# Allegro board neko-m5.brd
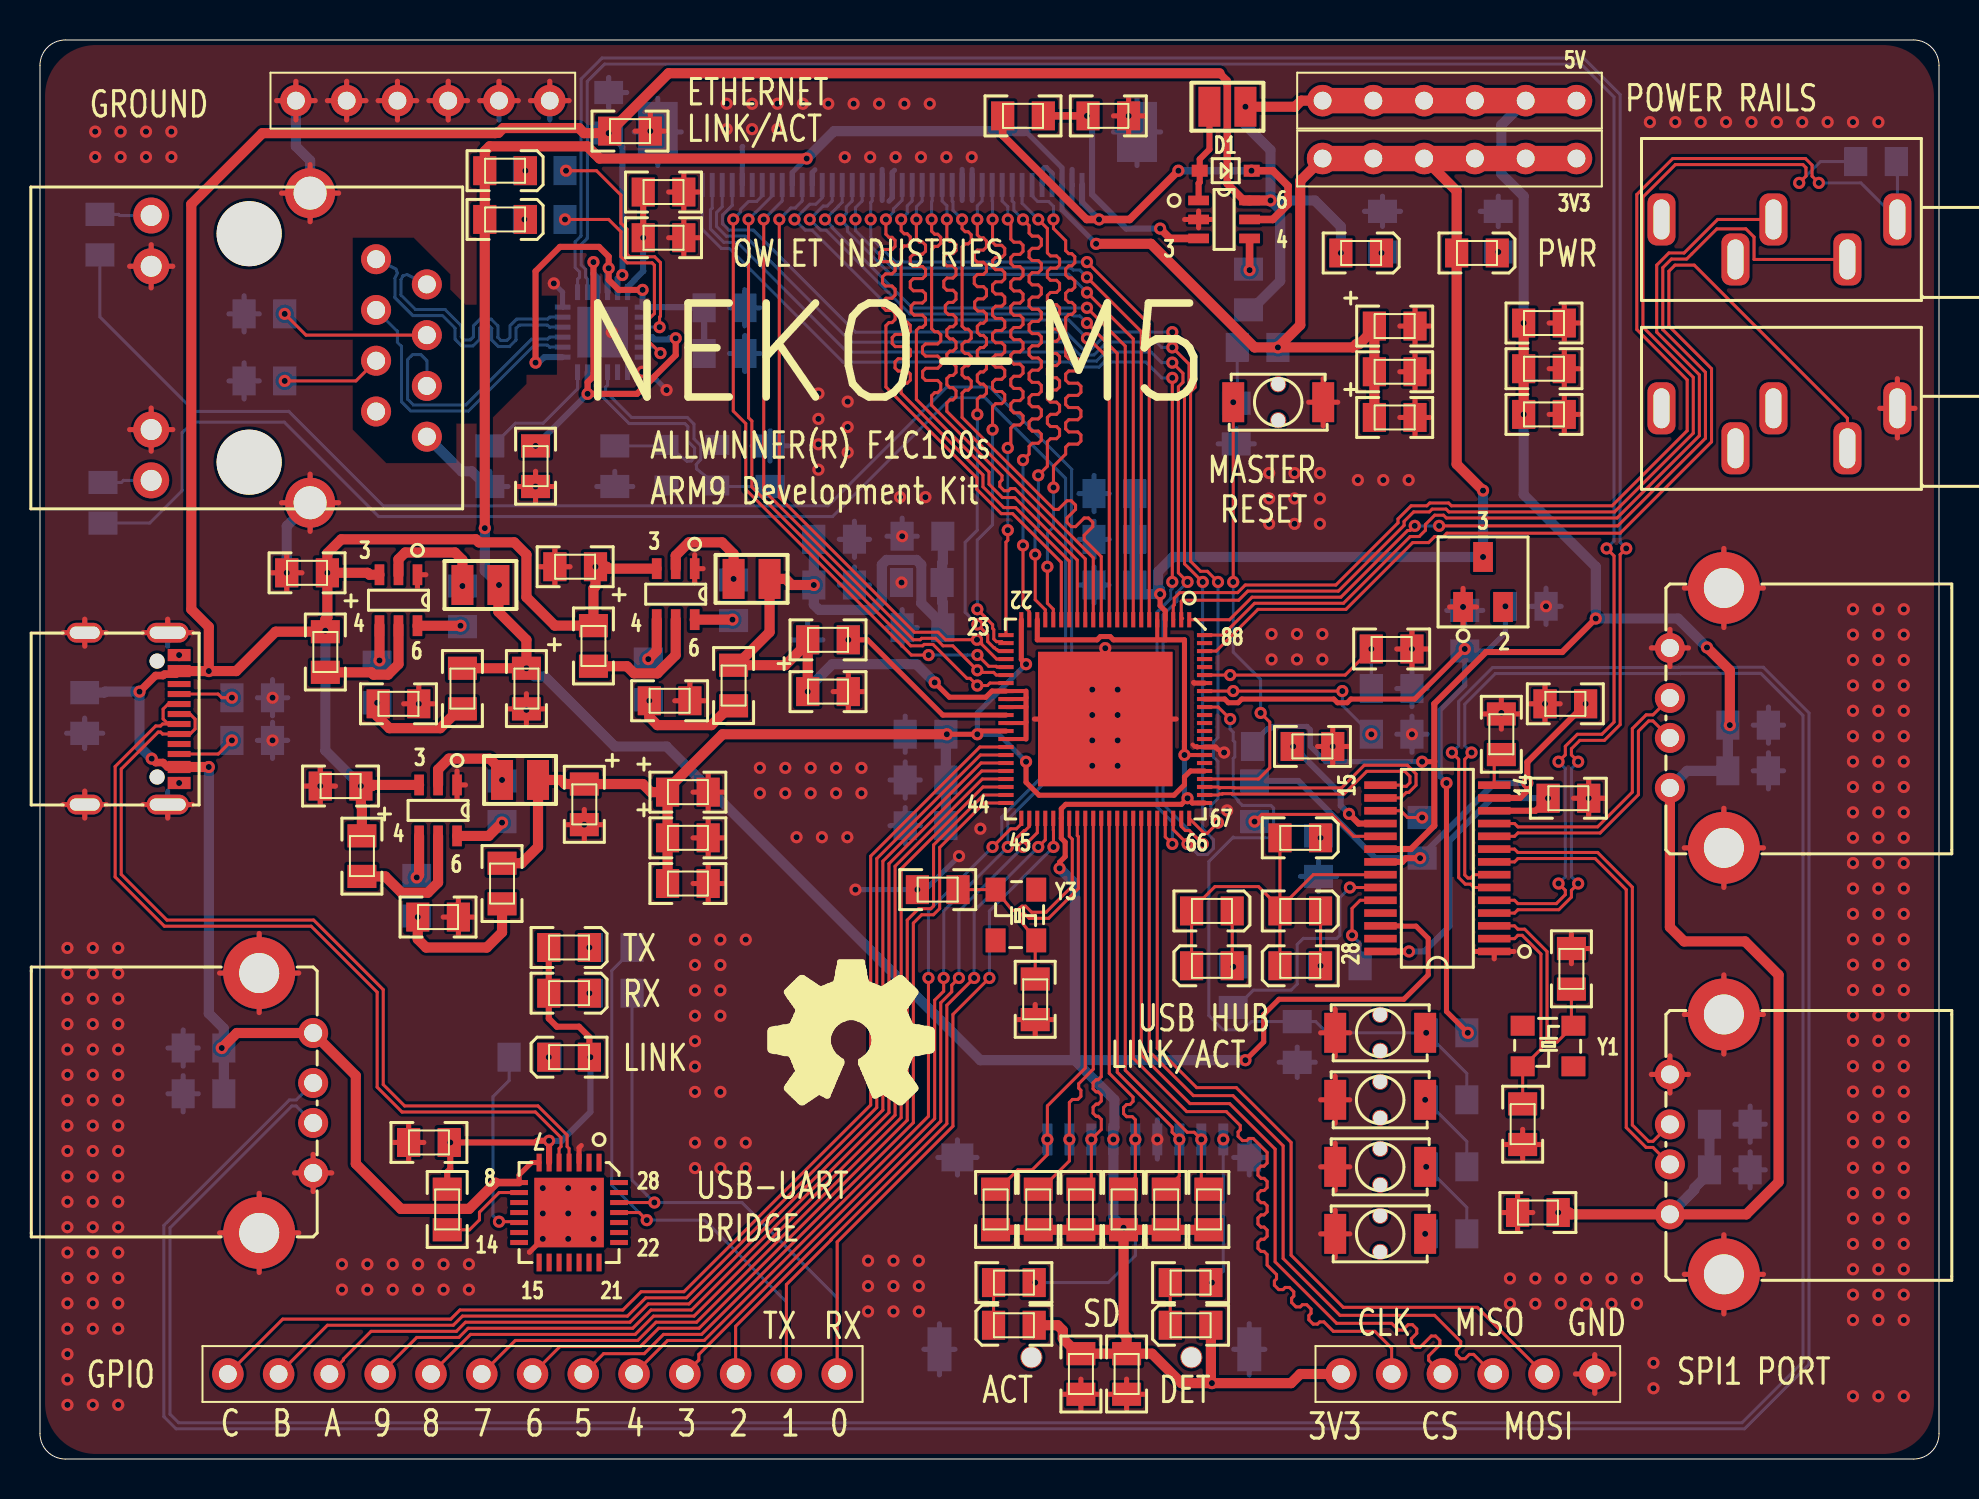
[diagram p0: board, top side]
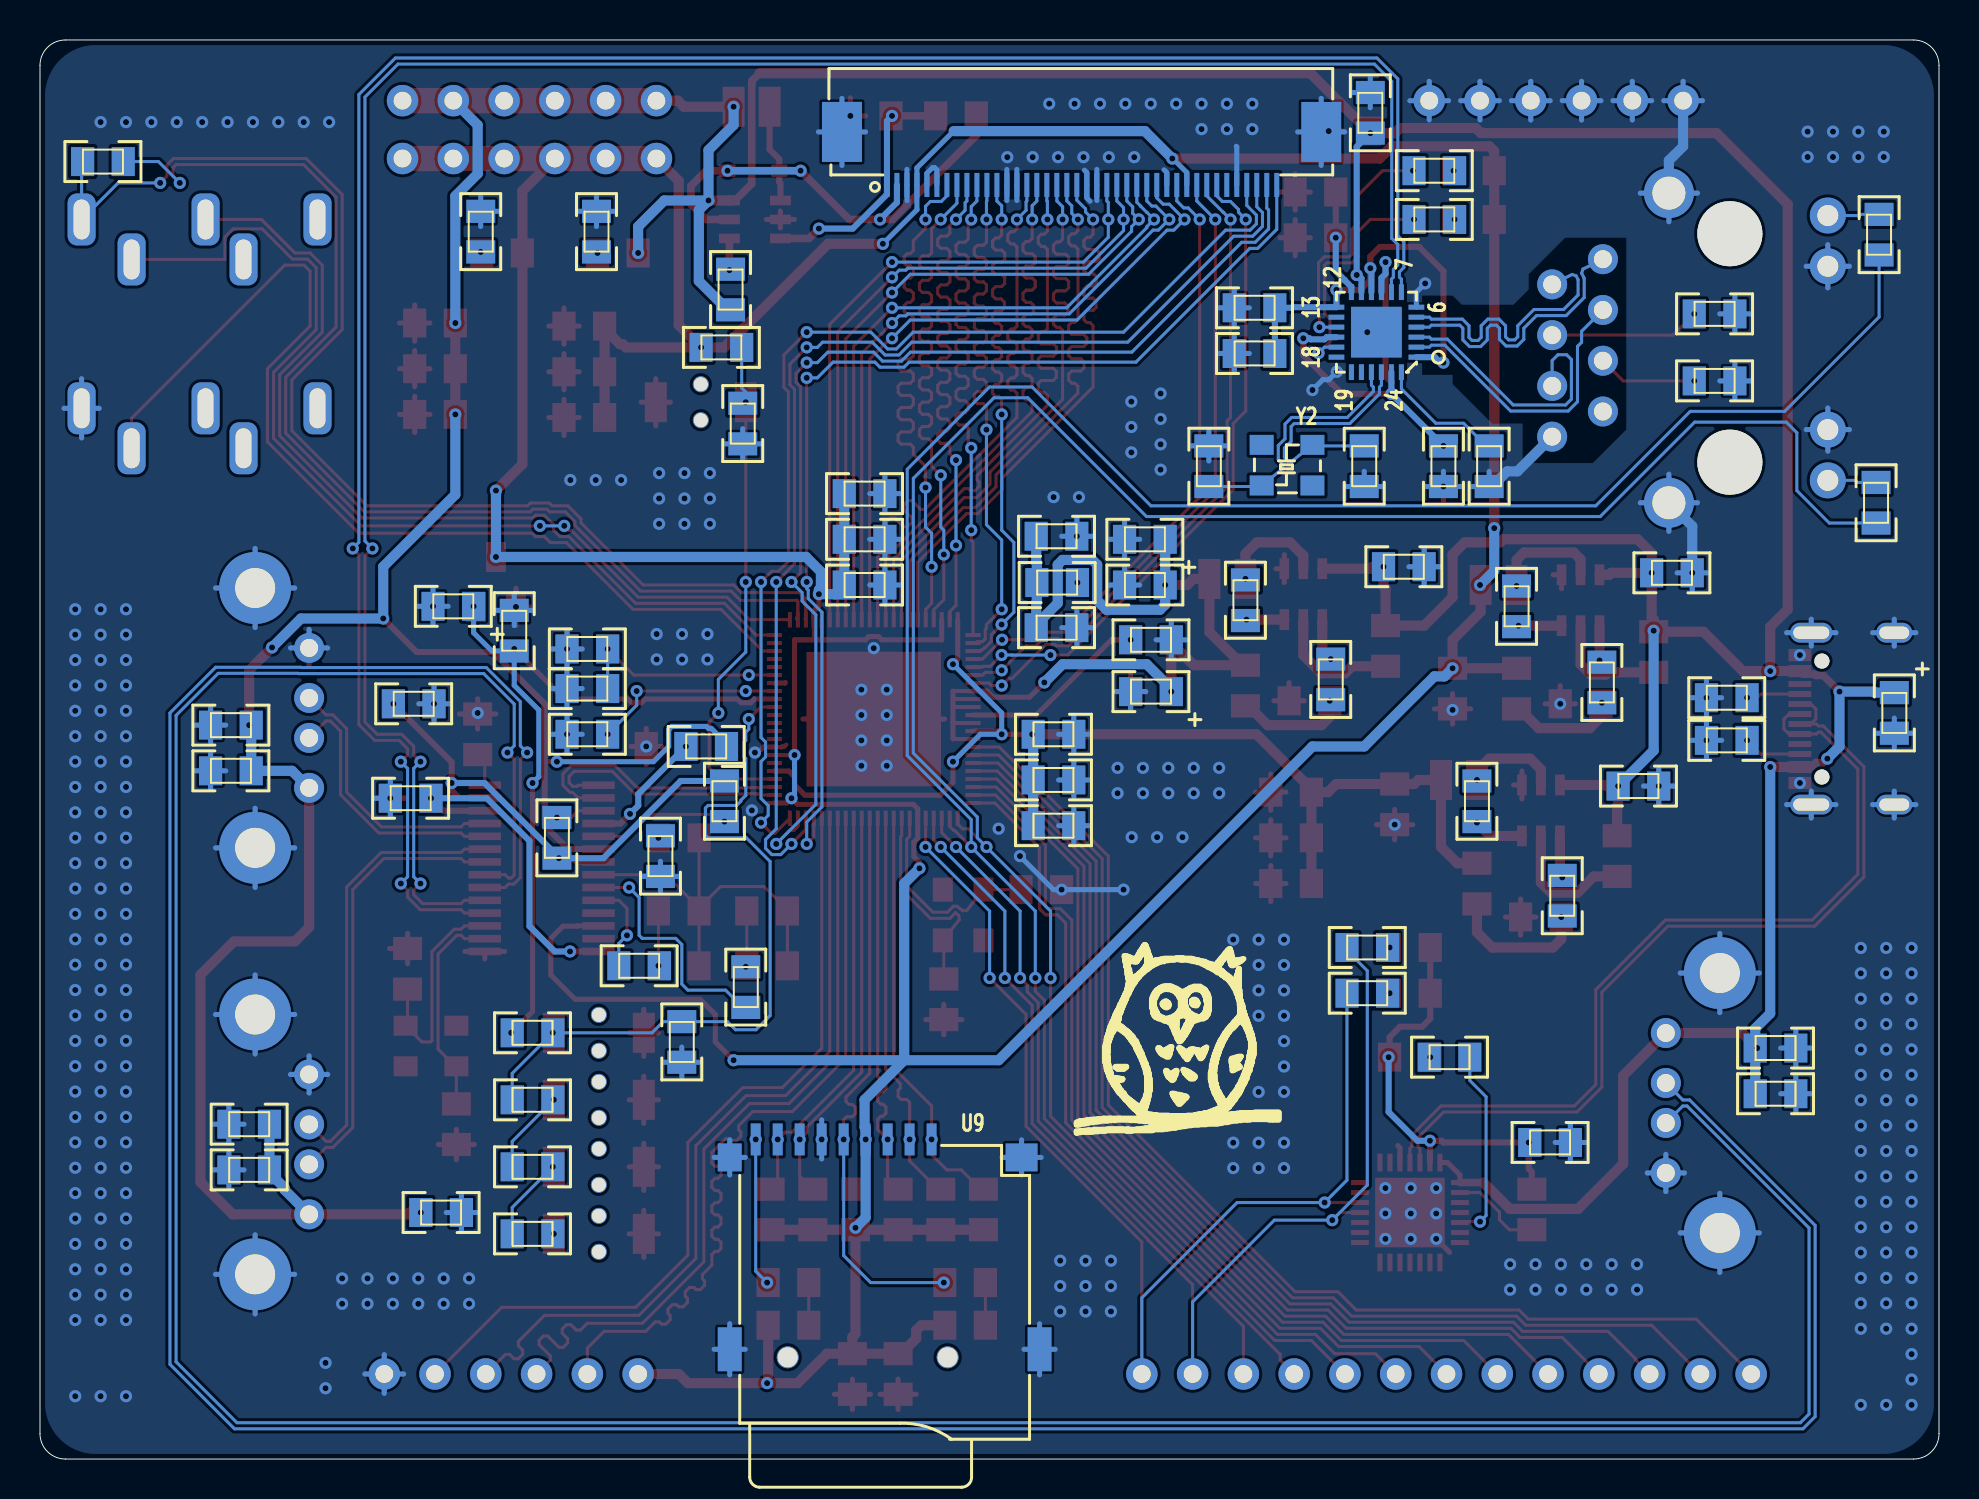
[diagram p1: board, bottom side, seen from below]

Outline 95 x 70.99 mm; copper layers: TOP, BOTTOM. Coordinates in mm from the lower left corner of the outline.
Outline path: 0,69.72 0,1.27 arc(0.37,0.37) 1.27,0 93.73,0 arc(94.62,0.37) 95,1.27 95,69.72 arc(94.62,70.62) 93.73,70.99 1.27,70.99 arc(0.37,70.62) 0,69.72

## Design rules (mm)
constraint set DEFAULT: min track width 0.152, pair gap 0.152
net group DIFFPAIR0: nets HUB_DM1 HUB_DP1
net group DIFFPAIR1: nets HUB_DM2 HUB_DP2
net group DIFFPAIR2: nets HUB_DM3 HUB_DP3
net group DIFFPAIR3: nets HUB_DM4 HUB_DP4
net group DIFFPAIR4: nets USB_UART_DN USB_UART_DP
net group DIFFPAIR5: nets MCU_USB_DN MCU_USB_DP
net group DIFFPAIR8: nets EPHY_XTAL1 EPHY_XTAL2
net group DIFFPAIR9: nets HOSCI HOSCO
net group DIFFPAIR10: nets HUB_XIN HUB_XOUT
net group DIFFPAIR11: nets HPCOM HPCOMFB
net group MG1: nets LCD_CLK LCD_D2 LCD_D3 LCD_D4 LCD_D5 LCD_D6 LCD_D7 LCD_D10 LCD_D11 LCD_D12 LCD_D13 LCD_D14 LCD_D15 LCD_D18 LCD_D19 LCD_D20 LCD_D21 LCD_D22 LCD_D23 LCD_DE LCD_HSYNC LCD_VSYNC
net group MG2: nets RJ45_RDN RJ45_RDP RJ45_TDN RJ45_TDP
net group MG3: nets SPI_CLK SPI_CS SPI_MISO SPI_MOSI

## Placement (name value [footprint] x y rotation side)
C1  1uF  [0805]  21.13 42.66 90 bottom
C2  0.1uF  [0805]  13.36 44.34 180 bottom
C3  22uF  [0805CP]  67.77 56.68 0 top
C4  0.1uF  [0805]  76.45 33.06 0 bottom
C5  0.1uF  [0805]  76.45 33.06 0 top
C6  22uF  [0805CP]  67.77 52.11 0 top
C7  0.1uF  [0805]  67.77 54.39 0 top
C8  22uF  [0805CP]  13.36 44.34 180 top
C9  0.1uF  [0805]  76.3 37.78 180 top
C10  0.1uF  [0805]  76.3 37.78 180 bottom
C11  1uF  [0805]  34.7 42.96 90 bottom
C12  22pF  [0805]  76.61 24.52 90 top
C13  22uF  [0805CP]  26.77 44.64 180 top
C14  0.1uF  [0805]  26.77 44.64 180 bottom
C15  0.1uF  [0805]  74.93 12.33 180 bottom
C16  0.1uF  [0805]  74.93 12.33 180 top
C17  22uF  [0805CP]  39.42 38.39 0 bottom
C18  22uF  [0805CP]  39.42 38.39 0 top
C19  0.1uF  [0805]  39.73 43.73 0 bottom
C20  22pF  [0805]  74.17 16.75 270 top
C21  22uF  [0805CP]  74.32 42.66 0 bottom
C22  0.1uF  [0805]  71.27 41.44 90 bottom
C23  1uF  [0805]  23.11 32.91 90 bottom
C24  0.1uF  [0805]  34.24 55.31 0 bottom
C25  0.1uF  [0805]  34.24 57.59 0 bottom
C26  0.1uF  [0805]  29.51 66.43 0 top
C27  0.1uF  [0805]  28.45 67.35 90 bottom
C28  22uF  [0805CP]  15.04 33.67 180 top
C29  0.1uF  [0805]  15.04 33.67 180 bottom
C30  22uF  [0805CP]  32.41 33.36 0 top
C31  22uF  [0805CP]  32.41 31.08 0 top
C32  0.1uF  [0805]  32.41 28.79 0 top
C33  22uF  [0805CP]  2.24 37.33 270 bottom
C34  0.1uF  [0805]  75.23 56.83 0 top
C35  0.1uF  [0805]  75.23 54.55 0 top
C36  0.1uF  [0805]  75.23 52.26 0 top
C37  0.1uF  [0805]  24.79 49.67 270 bottom
C38  0.1uF  [0805]  24.79 49.67 270 top
C39  22pF  [0805]  36.53 49.67 90 bottom
C40  0.1uF  [0805]  31.19 63.39 0 top
C41  0.1uF  [0805]  31.19 61.1 0 top
C42  22uF  [0805CP]  39.73 46.01 0 bottom
C43  0.1uF  [0805]  44.15 46.16 180 bottom
C44  0.1uF  [0805]  44.11 43.85 180 bottom
C45  0.1uF  [0805]  44.15 41.59 180 bottom
C46  22uF  [0805CP]  27.23 32.75 270 top
C47  0.1uF  [0805]  44.3 31.69 180 bottom
C48  0.1uF  [0805]  44.3 36.26 180 bottom
C49  0.1uF  [0805]  44.3 33.97 180 bottom
C50  22uF  [0805CP]  24.33 38.54 270 top
C51  0.1uF  [0805]  53.75 48.3 180 bottom
C52  0.1uF  [0805]  53.75 46.01 180 bottom
C53  0.1uF  [0805]  53.75 43.73 180 bottom
C54  22pF  [0805]  28.75 49.67 270 bottom
C55  30pF  [0805]  49.78 23 270 top
C56  0.1uF  [0805]  59.84 51.8 270 bottom
C57  30pF  [0805]  44.91 28.49 180 top
C58  1uF  [0805]  62.89 20.87 270 bottom
C59  0.1uF  [0805]  11.23 53.94 180 bottom
C60  0.1uF  [0805]  11.23 57.29 180 bottom
C61  1uF  [0805]  67.61 36.26 0 bottom
C62  1uF  [0805]  67.61 38.54 0 bottom
C63  1uF  [0805]  67.61 40.53 0 bottom
C64  1uF  [0805]  85.45 34.43 0 bottom
C65  0.1uF  [0805]  85.45 36.72 0 bottom
C66  1uF  [0805]  84.53 16.75 0 bottom
C67  0.1uF  [0805]  84.53 14.47 0 bottom
C68  1uF  [0805]  8.18 20.56 180 bottom
C69  0.1uF  [0805]  8.18 18.28 180 bottom
C70  0.1uF  [0805]  19.46 15.84 180 bottom
C71  0.1uF  [0805]  19.46 15.84 180 top
C72  0.1uF  [0805]  52.07 4.25 270 top
C73  0.1uF  [0805]  54.36 4.25 270 top
C74  1uF  [0805]  49.17 67.2 0 top
D1  1N5819  [SOD323]  58.01 64.45 0 top
D2  POWER  [0805D]  66.09 60.34 0 top
D3  REG-ON  [0805D]  71.88 60.34 0 top
D4  SD-ON  [0805D]  57.56 6.69 180 top
D5  UART-ON  [0805D]  26.47 20.1 180 top
D6  USB3  [0805D]  58.62 24.68 180 top
D7  ETH-LINK  [0805D]  23.27 64.45 0 top
D8  SD-ACT  [0805D]  48.72 6.69 180 top
D9  USB1  [0805D]  58.62 27.42 0 top
D10  UART-RX  [0805D]  26.47 23.3 0 top
D11  USB4  [0805D]  63.04 24.68 180 top
D12  ETH-ACT  [0805D]  23.27 62.01 0 top
D13  UART-TX  [0805D]  26.47 25.59 0 top
D14  USB2  [0805D]  63.04 27.42 0 top
D15  HUB-ON  [0805D]  63.04 31.08 0 top
J1  LCD_FPC_40PIN  [FPC40_0_5]  52.63 63.74 180 bottom
J2  GPIO-BANK  [H2_54-13]  24.64 4.25 270 top
J3  SPI  [H2_54-6]  71.42 4.25 90 top
J4  RJ45_INTEGRATED  [RJ45T]  13.51 47.84 90 top
J5  STEREO_PJ325  [PJ325]  92.91 62.01 180 top
J6  STEREO_PJ325  [PJ325]  92.91 52.57 180 top
J7  RAIL-GND  [H2_54-6]  19.15 67.96 270 top
J8  RAIL-3V3  [H2_54-6]  70.51 65.06 270 top
J9  RAIL-5V  [H2_54-6]  70.51 67.96 270 top
J10  USB_TYPEA_FEMALE  [USB-A]  81.53 40.58 0 top
J11  USB_TYPEA_FEMALE  [USB-A]  81.53 19.24 0 top
J12  USB_TYPEA_FEMALE  [USB-A]  13.67 14.31 180 top
J13  USB_TYPEC_FEMALE  [USB-C]  6.96 40.22 270 top
K1  KEY_2PIN  [KEY0306MM]  59.69 52.87 0 top
K2  KEY_2PIN  [KEY0306MM]  69.29 21.32 180 top
K3  KEY_2PIN  [KEY0306MM]  69.29 17.97 180 top
K4  KEY_2PIN  [KEY0306MM]  69.29 14.62 180 top
K5  KEY_2PIN  [KEY0306MM]  69.29 11.26 180 top
L1  6.8uH  [252012]  21.13 43.73 0 top
L2  10uH  [252012]  60.3 67.65 180 top
L3  4.7uH  [252012]  34.7 44.03 0 top
L4  2.2uH  [252012]  23.11 33.97 0 top
R1  40.2k  [0805]  16.87 38.85 270 bottom
R2  13k  [0805]  17.93 37.78 180 top
R3  100k  [0805]  60.45 58.51 270 bottom
R4  100k  [0805]  63.65 35.65 0 top
R5  100k  [0805]  14.27 40.37 90 top
R6  40.2k  [0805]  21.13 38.54 90 top
R7  10k  [0805]  61.67 35.65 180 bottom
R8  10k  [0805]  69.14 31.08 270 bottom
R9  10k  [0805]  60.76 32.91 90 bottom
R10  1.1R  [0805]  53.44 67.2 180 top
R11  100k  [0805]  27.69 40.68 90 top
R12  2k7  [0805]  73.1 36.26 270 top
R13  59k  [0805]  30.43 39 270 bottom
R14  40.2k  [0805]  34.7 38.7 90 top
R15  19.1k  [0805]  31.5 37.93 180 top
R16  100k  [0805]  16.1 30.16 90 top
R17  120k  [0805]  18.85 28.18 270 bottom
R18  20.5k  [0805]  23.11 28.79 90 top
R19  51k  [0805]  19.91 27.11 180 top
R20  1k  [0805]  67.16 61.4 270 bottom
R21  1k  [0805]  72.95 61.4 270 bottom
R22  2.49k  [0805]  22.5 49.67 270 bottom
R23  10k  [0805]  60.91 55.61 0 bottom
R24  2k2  [0805]  39.42 40.98 180 top
R25  0R(JACK)  [0805]  91.85 64.91 0 bottom
R26  2k2  [0805]  39.42 40.98 0 bottom
R27  1k  [0805]  3 61.25 90 bottom
R28  1k  [0805]  3.15 47.84 90 bottom
R29  1k  [0805]  70.36 21.32 180 bottom
R30  1k  [0805]  70.36 17.97 180 bottom
R31  1k  [0805]  67.61 40.53 0 top
R32  1k  [0805]  70.36 14.62 180 bottom
R33  1k  [0805]  70.36 11.26 180 bottom
R34  1k  [0805]  57.56 8.83 0 top
R35  1k  [0805]  24.49 20.1 180 bottom
R36  1k  [0805]  59.69 23.61 90 bottom
R37  1k  [0805]  25.25 64.45 0 bottom
R38  47k  [0805]  58.47 12.48 270 top
R39  47k  [0805]  56.34 12.48 270 top
R40  47k  [0805]  54.2 12.48 270 top
R41  47k  [0805]  52.07 12.48 270 top
R42  47k  [0805]  49.94 12.48 270 top
R43  47k  [0805]  47.8 12.48 270 top
R44  5k1  [0805]  10.62 35.95 180 bottom
R45  5k1  [0805]  10.62 38.09 180 bottom
R46  1k  [0805]  48.72 8.83 0 top
R47  1k  [0805]  28.6 23.3 0 bottom
R48  1k  [0805]  65.02 24.68 180 bottom
R49  1k  [0805]  25.25 62.01 0 bottom
R50  1k  [0805]  28.6 25.59 0 bottom
R51  1k  [0805]  63.96 30.16 270 bottom
R52  4k7  [0805]  20.37 12.48 90 top
U1  MP3202DJ  [TSOT23-6]  59.23 62.01 270 top
U2  F1C100S  [QFN88]  53.29 37.02 180 top
U3  MP1471  [TSOT23-6]  17.93 42.96 180 top
U4  FE1_1S  [SSOP28]  69.9 29.55 90 top
U5  MP1471  [TSOT23-6]  31.8 43.27 180 top
U6  XC6206  [SOT23]  72.19 43.88 0 top
U7  MP1471  [TSOT23-6]  19.91 32.45 180 top
U8  SR9900  [QFN24]  28.14 56.38 90 bottom
U9  MICRO_SD  [MICROSD]  50.39 15.99 270 bottom
U10  CP2102  [QFN28]  26.47 12.33 180 top
Y1  12MHz  [OSC3225]  74.17 19.65 90 top
Y2  25MHz  [OSC3225]  31.34 50.74 270 bottom
Y3  24MHz  [OSC3225]  47.8 28.49 0 top

## Library data of the parts
C1 C2 C4 C5 C7 C9-C12 C14-C16 C19 C20 C22-C27 C29 C32 C34-C41 C43-C45 C47-C49 C51-C74 = CAP NP
C3 C6 C8 C13 C17 C18 C21 C28 C30 C31 C33 C42 C46 C50 = CAP
D1 = 1N5819
D2-D15 = LED_P
J1 = LCD_FPC_40PIN
J2 = HEADER_13PIN
J3 J7-J9 = HEADER_6PIN
J4 = RJ45_INTEGRATED
J5 J6 = STEREO_PJ325
J10-J12 = USB_TYPEA_FEMALE
J13 = USB_TYPEC_FEMALE
K1-K5 = KEY_2PIN
L1-L4 = INDUCTOR
R1-R52 = RESISTOR
U1 = MP3202DJ
U2 = F1C100S
U3 U5 U7 = MP1471
U4 = FE1_1S
U6 = XC6206
U8 = SR9900
U9 = MICRO_SD
U10 = CP2102
Y1-Y3 = CRYSTAL

## Footprints (pads in the part's own frame, mm; a bottom-side part is the same pattern mirrored in y, then rotated)
0805
  rect 1.16x1.45 smd: 1(-1.016,0) 2(1.016,0)
0805CP
  rect 1.16x1.45 smd: 1(-1.016,0) 2(1.016,0)
0805D
  rect 1.16x1.45 smd: 1(-1.016,0) 2(1.016,0)
252012
  rect 1.1x2 smd: 1(0,0) 2(1.8,0)
FPC40_0_5
  rect 0.25x1.2 smd: 1(0,0) 2(0.5,0) 3(1,0) 4(1.5,0) 5(2,0) 6(2.5,0) 7(3,0) 8(3.5,0) 9(4,0) 10(4.5,0) 11(5,0) 12(5.5,0) 13(6,0) 14(6.5,0) 15(7,0) 16(7.5,0) 17(8,0) 18(8.5,0) 19(9,0) 20(9.5,0) 21(10,0) 22(10.5,0) 23(11,0) 24(11.5,0) 25(12,0) 26(12.5,0) 27(13,0) 28(13.5,0) 29(14,0) 30(14.5,0) 31(15,0) 32(15.5,0) 33(16,0) 34(16.5,0) 35(17,0) 36(17.5,0) 37(18,0) 38(18.5,0) 39(19,0) 40(19.5,0)
  rect 2x3 smd: 41(-2.25,2.652) 42(21.725,2.652)
H2_54-6
  round 1.575 hole 0.889: 1(0,6.35) 2(0,3.81) 3(0,1.27) 4(0,-1.27) 5(0,-3.81) 6(0,-6.35)
H2_54-13
  round 1.575 hole 0.889: 1(0,15.24) 2(0,12.7) 3(0,10.16) 4(0,7.62) 5(0,5.08) 6(0,2.54) 7(0,0) 8(0,-2.54) 9(0,-5.08) 10(0,-7.62) 11(0,-10.16) 12(0,-12.7) 13(0,-15.24)
KEY0306MM
  round 0.8 hole 0.7: (2.25,0.9) (2.25,-0.9)
  rect 1.1x2 smd: 1(0,0) 2(4.5,0)
MICROSD
  round 1.1 hole 1 unplated: (10.9,-7.2) (10.9,0.8)
  rect 1.6x0.5 smd: 1(0,0) 2(0,-1.1) 3(0,-2.2) 4(0,-3.3) 5(0,-4.4) 6(0,-5.5) 7(0,-6.6) 8(0,-7.7) 9(0,-8.8)
  rect 1.4x1.2 smd: 10(0.9,-10.1)
  rect 2.2x1.2 smd: 11(10.5,-10.1) 12(10.5,5.4)
  rect 1.4x1.6 smd: 13(0.9,4.5)
OSC3225
  rect 1x1.2 smd: (0,-2.54) (2.032,0) 1(0,0) 2(2.032,-2.54)
PJ325
  rrect 1.4x2.6 hole 0.8x2: 1(0,0) 2(8.1,2) 3(2.5,2) 4(6.2,0) 5(11.8,0)
QFN24
  rect 0.254x0.787 smd: 1(-1.25,-2) 2(-0.75,-2) 3(-0.25,-2) 4(0.25,-2) 5(0.75,-2) 6(1.25,-2) 13(1.25,2) 14(0.75,2) 15(0.25,2) 16(-0.25,2) 17(-0.75,2) 18(-1.25,2)
  rect 0.787x0.254 smd: 7(2,-1.25) 8(2,-0.75) 9(2,-0.25) 10(2,0.25) 11(2,0.75) 12(2,1.25) 19(-2,1.25) 20(-2,0.75) 21(-2,0.25) 22(-2,-0.25) 23(-2,-0.75) 24(-2,-1.25)
  rect 2.54x2.54 smd: 25(0,0)
QFN28
  rect 0.254x0.889 smd: 1(-1.5,-2.5) 2(-1,-2.5) 3(-0.5,-2.5) 4(0,-2.5) 5(0.5,-2.5) 6(1,-2.5) 7(1.5,-2.5) 15(1.5,2.5) 16(1,2.5) 17(0.5,2.5) 18(0,2.5) 19(-0.5,2.5) 20(-1,2.5) 21(-1.5,2.5)
  rect 0.889x0.254 smd: 8(2.5,-1.5) 9(2.5,-1) 10(2.5,-0.5) 11(2.5,0) 12(2.5,0.5) 13(2.5,1) 14(2.5,1.5) 22(-2.5,1.5) 23(-2.5,1) 24(-2.5,0.5) 25(-2.5,0) 26(-2.5,-0.5) 27(-2.5,-1) 28(-2.5,-1.5)
  rect 3.48x3.48 smd: 29(0,0)
QFN88
  rect 0.203x0.762 smd: 1(-4.2,-4.967) 2(-3.8,-4.967) 3(-3.4,-4.967) 4(-3,-4.967) 5(-2.6,-4.967) 6(-2.2,-4.967) 7(-1.8,-4.967) 8(-1.4,-4.967) 9(-1,-4.967) 10(-0.6,-4.967) 11(-0.2,-4.967) 12(0.2,-4.967) 13(0.6,-4.967) 14(1,-4.967) 15(1.4,-4.967) 16(1.8,-4.967) 17(2.2,-4.967) 18(2.6,-4.967) 19(3,-4.967) 20(3.4,-4.967) 21(3.8,-4.967) 22(4.2,-4.967) 45(4.2,4.967) 46(3.8,4.967) 47(3.4,4.967) 48(3,4.967) 49(2.6,4.967) 50(2.2,4.967) 51(1.8,4.967) 52(1.4,4.967) 53(1,4.967) 54(0.6,4.967) 55(0.2,4.967) 56(-0.2,4.967) 57(-0.6,4.967) 58(-1,4.967) 59(-1.4,4.967) 60(-1.8,4.967) 61(-2.2,4.967) 62(-2.6,4.967) 63(-3,4.967) 64(-3.4,4.967) 65(-3.8,4.967) 66(-4.2,4.967)
  rect 0.762x0.203 smd: 23(4.967,-4.2) 24(4.967,-3.8) 25(4.967,-3.4) 26(4.967,-3) 27(4.967,-2.6) 28(4.967,-2.2) 29(4.967,-1.8) 30(4.967,-1.4) 31(4.967,-1) 32(4.967,-0.6) 33(4.967,-0.2) 34(4.967,0.2) 35(4.967,0.6) 36(4.967,1) 37(4.967,1.4) 38(4.967,1.8) 39(4.967,2.2) 40(4.967,2.6) 41(4.967,3) 42(4.967,3.4) 43(4.967,3.8) 44(4.967,4.2) 67(-4.967,4.2) 68(-4.967,3.8) 69(-4.967,3.4) 70(-4.967,3) 71(-4.967,2.6) 72(-4.967,2.2) 73(-4.967,1.8) 74(-4.967,1.4) 75(-4.967,1) 76(-4.967,0.6) 77(-4.967,0.2) 78(-4.967,-0.2) 79(-4.967,-0.6) 80(-4.967,-1) 81(-4.967,-1.4) 82(-4.967,-1.8) 83(-4.967,-2.2) 84(-4.967,-2.6) 85(-4.967,-3) 86(-4.967,-3.4) 87(-4.967,-3.8) 88(-4.967,-4.2)
  rect 6.731x6.731 smd: 89(0,0)
RJ45T
  round 3.26 hole 3.25: (2.03,3.05) (13.46,3.05)
  round 1.5 hole 0.9: 1(12.185,-3.3) 2(10.925,-5.84) 3(9.645,-3.3) 4(8.385,-5.84) 5(7.105,-3.3) 6(5.845,-5.84) 7(4.565,-3.3) 8(3.305,-5.84)
  round 1.8 hole 1.05: 9(14.37,7.95) 10(11.83,7.95) 11(3.66,7.95) 12(1.12,7.95)
  round 2.5 hole 1.65: 13(15.49,0) 14(0,0)
SOD323
  rect 0.8x0.6 smd: 1(0,0) 2(2.6,0)
SOT23
  rect 0.991x1.499 smd: 1(-1,-1.25) 2(1,-1.25) 3(0,1.25)
SSOP28
  rect 0.381x1.626 smd: 1(-4.16,-2.845) 2(-3.52,-2.845) 3(-2.88,-2.845) 4(-2.24,-2.845) 5(-1.6,-2.845) 6(-0.96,-2.845) 7(-0.32,-2.845) 8(0.32,-2.845) 9(0.96,-2.845) 10(1.6,-2.845) 11(2.24,-2.845) 12(2.88,-2.845) 13(3.52,-2.845) 14(4.16,-2.845) 15(4.16,2.845) 16(3.52,2.845) 17(2.88,2.845) 18(2.24,2.845) 19(1.6,2.845) 20(0.96,2.845) 21(0.32,2.845) 22(-0.32,2.845) 23(-0.96,2.845) 24(-1.6,2.845) 25(-2.24,2.845) 26(-2.88,2.845) 27(-3.52,2.845) 28(-4.16,2.845)
TSOT23-6
  rect 0.483x1.041 smd: 1(-0.95,-1.275) 2(0,-1.275) 3(0.95,-1.275) 4(0.95,1.275) 5(0,1.275) 6(-0.95,1.275)
USB-A
  round 1.5 hole 0.9: 1(0,-7) 2(0,-4.5) 3(0,-2.5) 4(0,0)
  round 3.6 hole 2: 5(2.7,3) 6(2.7,-10)
USB-C
  round 0.76 hole 0.75: (0.3,-1.1) (6.1,-1.1)
  oval 0.991x2.108 hole 0.61x1.803: 1(-1.12,-0.57) 4(7.48,-0.57)
  oval 0.991x1.803 hole 0.61x1.499: 2(-1.12,-4.72) 3(7.48,-4.72)
  rect 0.61x1.143 smd: A1(0,0) A4(0.8,0) B1(6.4,0) B4(5.6,0)
  rect 0.305x1.143 smd: A5(1.95,0) A6(2.95,0) A7(3.45,0) A8(1.45,0) B5(4.95,0) B6(3.95,0) B7(2.45,0) B8(4.45,0)

## Nets
GND: C2.2 C3.2 C4.2 C5.2 C6.2 C7.2 C8.2 C9.2 C10.2 C12.2 C13.2 C14.2 C15.2 C16.2 C17.2 C18.2 C19.2 C20.2 C21.2 C22.2 C24.2 C25.2 C26.2 C27.2 C28.2 C29.2 C30.2 C31.2 C32.2 C33.2 C34.2 C35.2 C36.2 C37.2 C38.2 C39.2 C40.2 C41.2 C42.2 C43.2 C44.2 C45.2 C46.2 C47.2 C48.2 C49.2 C50.2 C51.2 C52.2 C53.2 C54.2 C55.2 C56.2 C57.2 C58.2 C59.2 C60.2 C61.2 C62.2 C63.2 C64.2 C65.2 C66.2 C67.2 C68.2 C69.2 C70.2 C71.2 C72.2 C73.2 J1.3 J1.5 J1.6 J1.13 J1.14 J1.21 J1.22 J1.29 J1.36 J1.41 J1.42 J3.6 J4.8 J4.10 J4.11 J4.13 J4.14 J6.1 J7.1 J7.2 J7.3 J7.4 J7.5 J7.6 J10.4 J10.5 J10.6 J11.4 J11.5 J11.6 J12.4 J12.5 J12.6 J13.1 J13.2 J13.3 J13.4 J13.A1 J13.B1 K1.2 K2.2 K3.2 K4.2 K5.2 R2.1 R4.2 R10.1 R12.1 R15.1 R19.1 R20.1 R21.1 R22.2 R26.1 R31.2 R44.1 R45.1 R51.2 U1.2 U2.74 U2.82 U2.89 U3.1 U4.1 U5.1 U6.1(VSS) U7.1 U8.6 U8.25 U9.6 U9.10 U9.11 U9.12 U9.13 U10.3 U10.29
VCC5: C2.1 C8.1 C13.1 C14.1 C15.1 C16.1 C26.1 C27.1 C28.1 C29.1 C33.1 C34.1 C35.1 C36.1 C64.1 C65.1 C66.1 C67.1 C68.1 C69.1 D2.1 J9.1 J9.2 J9.3 J9.4 J9.5 J9.6 J10.1(VBUS) J11.1(VBUS) J12.1(VBUS) J13.A4 J13.B4(VBUS#B4) L2.1 R3.2 R5.2 R7.2 R11.2 R16.2 U1.6 U3.3 U4.20 U5.3 U7.3 U8.11 U10.7 U10.8
VCC11: C30.1 C31.1 C32.1 C46.1 C47.1 C48.1 C49.1 L4.2 R18.2 U2.22 U2.35 U2.71(VDD_CORE#71)
VCC25: C17.1 C18.1 C19.1 C42.1 C43.1 C44.1 C45.1 L3.2 R14.2 R24.2 U2.30 U2.31 U2.32 U2.34 U2.36
VCC30: C21.1 C22.1 R29.1 U2.80 U6.2
VCC33: C3.1 C6.1 C7.1 C50.1 C51.1 C52.1 C53.1 C72.1 C73.1 D3.1 D4.1 D7.1 D8.1 D12.1 J1.4 J1.31 J3.1 J8.1 J8.2 J8.3 J8.4 J8.5 J8.6 L1.2 R6.2 R23.2 R38.2 R39.2 R40.2 R41.2 R42.2 R43.2 U2.4 U2.5 U2.20 U2.50 U2.67 U2.73 U4.26 U6.3 U9.4(VDD)
EPHY_LED0: R37.2 U8.15
EPHY_LED1: R49.2 U8.17
EPHY_VDD12: C37.1 C38.1 U8.9 U8.16 U8.23
EPHY_VDD12U: C40.1 C41.1 U8.12
EPHY_VDD33: C24.1 C25.1 U8.1 U8.10 U8.13
EPHY_XTAL1: C39.1 U8.21 Y2.2
EPHY_XTAL2: C54.1 U8.22(XTAL2) Y2.1
HOSCI: C57.1 U2.51 Y3.1
HOSCO: C55.1 U2.52 Y3.2
HPCOM: J5.1 R25.2 U2.3
HPCOMFB: R25.1 U2.2
HPL: J5.3(5) U2.1
HPR: J5.4 U2.88
HUB_1V8: C4.1 C5.1 U4.12 U4.28
HUB_3V3: C9.1 C10.1 R8.2 R9.2 U4.13 U4.21
HUB_DM1: J10.2 U4.10
HUB_DM2: J11.2 U4.8
HUB_DM3: J12.2 U4.6
HUB_DM4: U4.4 U8.7
HUB_DP1: J10.3 U4.11
HUB_DP2: J11.3 U4.9
HUB_DP3: J12.3 U4.7
HUB_DP4: U4.5 U8.8
HUB_DRV: D6.2(CATHODE) D9.1 D11.2(CATHODE) D14.1 D15.1 U4.22
HUB_LED1: R36.1 U4.23
HUB_LED2: R48.1 U4.24
HUB_VBUSM: R4.1 R7.1 U4.18
HUB_XIN: C12.1 U4.3 Y1.2
HUB_XOUT: C20.1 U4.2 Y1.1
LCD_CLK: J1.30 U2.26
LCD_D2: J1.23 U2.6
LCD_D3: J1.24 U2.7
LCD_D4: J1.25 U2.8
LCD_D5: J1.26 U2.9
LCD_D6: J1.27 U2.10
LCD_D7: J1.28 U2.11
LCD_D10: J1.15 U2.12
LCD_D11: J1.16 U2.13
LCD_D12: J1.17 U2.14
LCD_D13: J1.18 U2.15
LCD_D14: J1.19 U2.16
LCD_D15: J1.20 U2.17
LCD_D18: J1.7 U2.18
LCD_D19: J1.8 U2.19
LCD_D20: J1.9 U2.21
LCD_D21: J1.10 U2.23
LCD_D22: J1.11 U2.24
LCD_D23: J1.12 U2.25
LCD_DE: J1.34 U2.27
LCD_HSYNC: J1.32 U2.28
LCD_LEDA: C74.1 D1.2 J1.2 U1.5
LCD_LEDK: C74.2 J1.1 R10.2 U1.3
LCD_VSYNC: J1.33 U2.29
LINL: J6.3(5) U2.86
LRADC: C58.1 K2.1 R29.2 R30.1 U2.79
MCU_UART_RX: J2.1 R47.2 U2.49 U10.26
MCU_UART_TX: J2.2 R50.2 U2.48 U10.25
MCU_USB_DN: U2.68 U4.15
MCU_USB_DP: U2.69 U4.16
PIO_E2: J2.3 U2.47
PIO_E3: J2.4 R27.1 U2.46
PIO_E4: J2.5 R28.1 U2.45
PIO_E5: J2.6 U2.44
PIO_E6: J2.7 U2.43
PIO_E7: J2.8 U2.42
PIO_E8: J2.9 U2.41
PIO_E9: J2.10 U2.40
PIO_E10: J2.11 U2.39
PIO_E11: J2.12 U2.38
PIO_E12: J2.13 U2.37
RESET: C56.1 K1.1 R23.1 U2.70
RJ45_RDN: J4.6 U8.3
RJ45_RDP: J4.3 U8.2
RJ45_TDN: J4.2 U8.5
RJ45_TDP: J4.1 U8.4
SDC_CLK: R40.1 R46.2 U2.56 U9.5
SDC_CMD: R41.1 U2.55 U9.3
SDC_D0: R39.1 U2.57 U9.7
SDC_D1: R38.1 U2.58 U9.8
SDC_D2: R43.1 U2.53 U9.1
SDC_D3: R42.1 U2.54 U9.2
SDC_DET: R34.2 U9.9
SPI_CLK: J3.2 U2.59
SPI_CS: J3.3 U2.60
SPI_MISO: J3.4 U2.61
SPI_MOSI: J3.5 U2.62
TPX1: J1.37 U2.66
TPX2: J1.39 U2.65
TPY1: J1.38 U2.64
TPY2: J1.40(YU) U2.63
USB_CC1: J13.A5 R45.2
USB_CC2: J13.B5 R44.2
USB_UART_DN: J13.A7 J13.B7 U10.5
USB_UART_DP: J13.A6 J13.B6 U10.4
USB_UART_SUSPEND: R35.2 U10.12
USB_UART_VDD: C70.1 C71.1 D5.1 D10.1 D13.1 R52.2 U10.6(VDD)
VRA1: C61.1 U2.81
VRA2: C62.1 C63.1 R31.1 U2.83
N03475: C1.2 L1.1 U3.2(SW)
N04090: R1.1 U3.4
N04092: R1.2 R2.2 R6.1
N05432: C11.2 L3.1 U5.2(SW)
N05572: R13.1 U5.4
N05576: R13.2 R14.1 R15.2
N06603: C23.2 L4.1 U7.2(SW)
N06743: R17.1 U7.4
N06747: R17.2 R18.1 R19.2
N08835: R5.1 U3.5
N08849: R16.1 U7.5
N08957: R11.1 U5.5
N11442: R24.1 R26.2 U2.33
N15893: D3.2(CATHODE) R21.2
N21469: D2.2(CATHODE) R20.2
N026012: C1.1 U3.6
N28920: R52.1 U10.9
N053742: C11.1 U5.6
N62098: D1.1 L2.2 U1.1(SW)
N63435: R3.1 U1.4
N065452: C23.1 U7.6
N104876: D6.1 D9.2(CATHODE) R36.2
N104918: D11.1 D14.2(CATHODE) R48.2
N106425: D15.2(CATHODE) R51.1
N112482: R9.1 U4.19
N112486: R8.1 U4.17(X\R\S\T\J\)
N113584: R12.2 U4.14
N129609: R22.1 U8.24
N170217: C60.1 J4.4(TTAP)
N175271: J4.9 R27.2
N175275: J4.12 R28.2
N292580: D5.2(CATHODE) R35.1
N299830: D10.2(CATHODE) R47.1
N300870: D13.2(CATHODE) R50.1
N301898: K5.1 R33.2
N301905: K4.1 R32.2 R33.1
N301919: K3.1 R30.2 R32.1
N440299: C59.1 J4.5
N1040560: D4.2(CATHODE) R34.1
N1513320: D7.2(CATHODE) R37.1
N1515390: D12.2(CATHODE) R49.1
N2316020: D8.2(CATHODE) R46.1

Pads without a net: J1 35; J4 7; J5 2 5; J6 2 4 5; J13 A8 B8; U2 72 75 76 77 78 84 85 87; U4 25 27; U8 14 18 19 20; U10 1 2 10 11 13 14 15 16 17 18 19 20 21 22 23 24 27 28

## Via types
v1: diameter 0.61, hole 0.305, TOP to BOTTOM, 535 vias
